# Altium PCB AMS_Remote_Module_A1.PcbDoc (part 3 of 3) (continued)
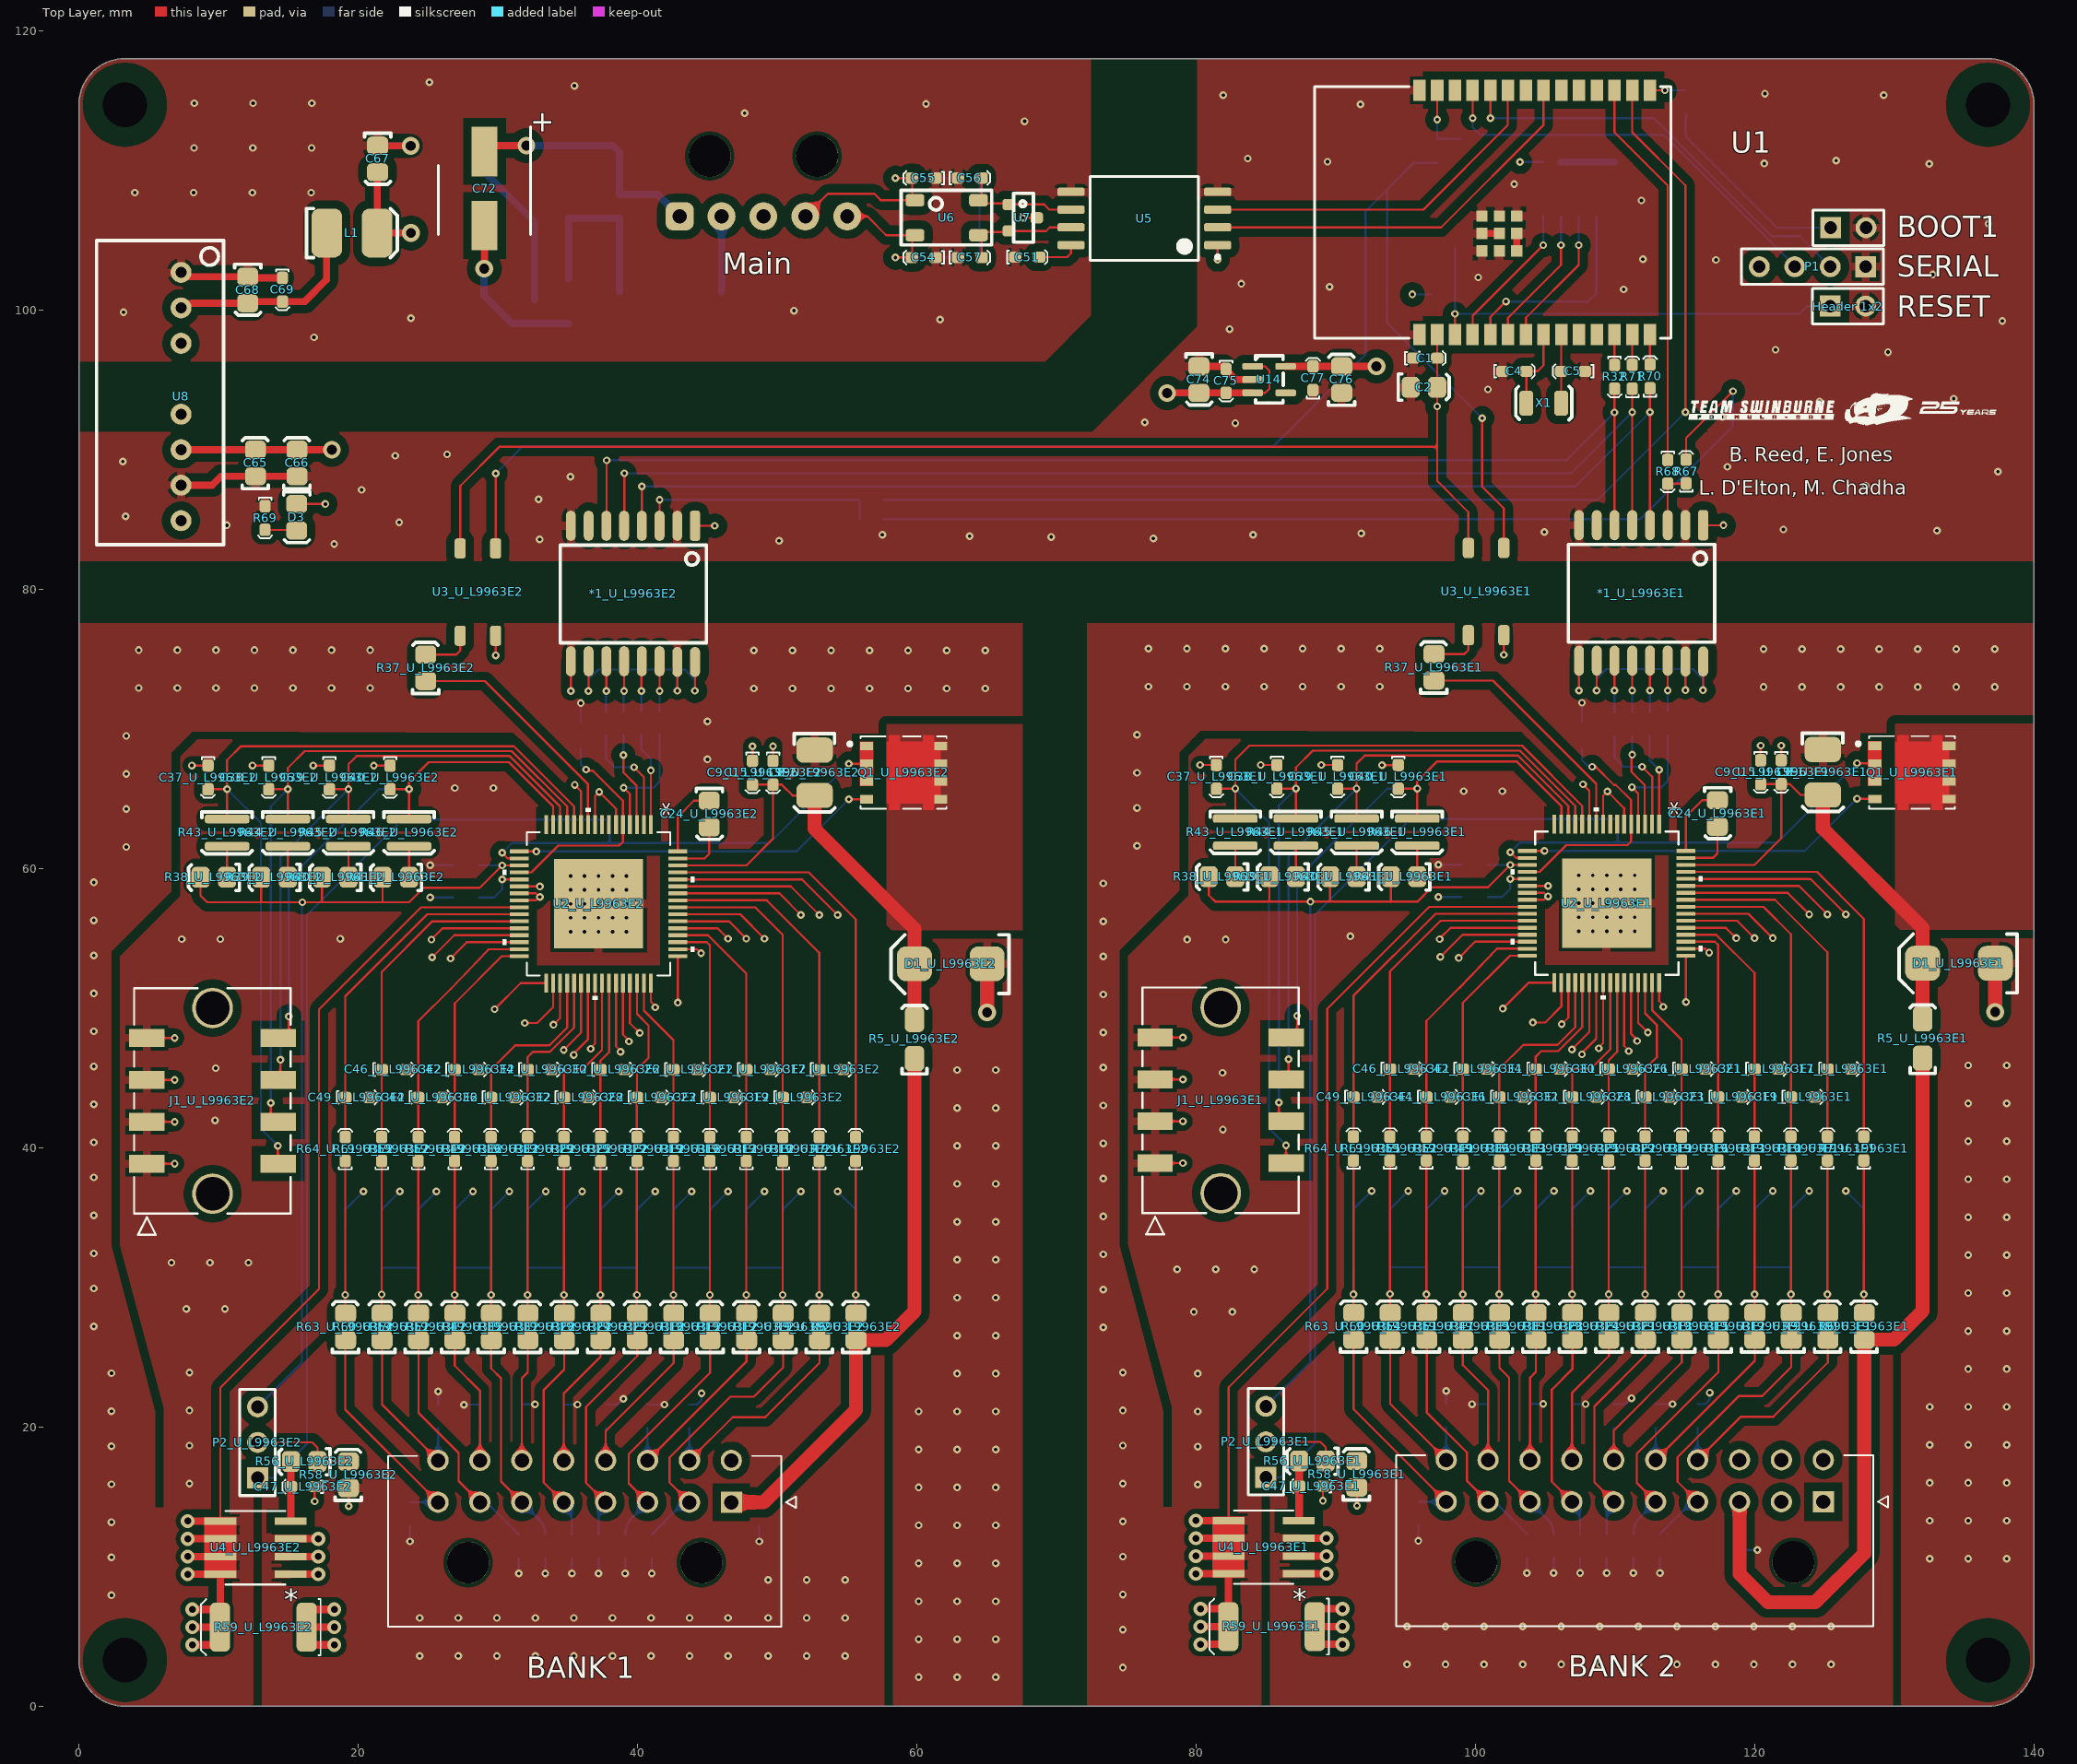
[diagram p0: Top Layer view]
## Nets (pads, with @x,y where several pads share a name; then routed paths per layer and width w, separated by ;. In a path a pad name is that pad's centre, name@x,y a point inside that pad or via, vN(x,y) a via of type N, cw(c..) or ccw(c..) an arc to the next point about the centre after c; other vN are vias at no path point) (continued)
  Top Layer w0.152: v1(36.648,47.079) 36.648,47.144 36.961,47.457 U2_U_L9963E2.40@36.961,51.791
  Layer 2 w0.152: v1(33.433,36.87) 33.433,42.526 36.627,45.72 v1@36.627,47.079
  Bottom Layer w0.152: R34_U_L9963E2.2@32.128,34.209 32.128,35.565 v1(33.433,36.87)
S7_U_L9963E1: R30_U_L9963E1.2 U2_U_L9963E1.43 | length 19.4
  Top Layer w0.152: U2_U_L9963E1.43@110.648,51.829 110.648,47.301 110.973,46.976 v1(110.973,46.914)
  Layer 2 w0.152: v1(108.23,36.908) 108.23,44.171 v1(110.973,46.914)
  Bottom Layer w0.152: R30_U_L9963E1.2@106.925,34.247 106.925,35.603 v1(108.23,36.908)
S7_U_L9963E2: R30_U_L9963E2.2 U2_U_L9963E2.43 | length 19.4
  Top Layer w0.152: U2_U_L9963E2.43@38.461,51.791 38.461,47.263 38.786,46.939 v1(38.786,46.876)
  Layer 2 w0.152: v1(36.043,36.87) 36.043,44.134 v1(38.786,46.876)
  Bottom Layer w0.152: R30_U_L9963E2.2@34.738,34.209 34.738,35.565 v1(36.043,36.87)
S8_U_L9963E1: R27_U_L9963E1.2 U2_U_L9963E1.45 | length 19
  Top Layer w0.152: U2_U_L9963E1.45@111.648,51.829 111.648,48.956 v1(112.344,48.26)
  Layer 2 w0.152: v1(110.841,36.908) 111.933,38 111.933,44.61 112.344,45.021 v1(112.344,48.26)
  Bottom Layer w0.152: R27_U_L9963E1.2@109.536,34.247 109.536,35.603 v1(110.841,36.908)
S8_U_L9963E2: R27_U_L9963E2.2 U2_U_L9963E2.45 | length 19
  Top Layer w0.152: U2_U_L9963E2.45@39.462,51.791 39.462,48.918 v1(40.157,48.222)
  Layer 2 w0.152: v1(38.654,36.87) 39.746,37.962 39.746,44.572 40.157,44.983 v1(40.157,48.222)
  Bottom Layer w0.152: R27_U_L9963E2.2@37.349,34.209 37.349,35.565 v1(38.654,36.87)
S9_U_L9963E1: R23_U_L9963E1.2 U2_U_L9963E1.48 | length 18.2
  Top Layer w0.152: U2_U_L9963E1.48@113.149,51.829 113.149,50.498 113.451,50.195 v1(113.451,50.089)
  Layer 2 w0.152: v1(113.451,36.908) v1(113.451,50.089)
  Bottom Layer w0.152: R23_U_L9963E1.2@112.146,34.247 112.146,35.603 v1(113.451,36.908)
S9_U_L9963E2: R23_U_L9963E2.2 U2_U_L9963E2.48 | length 18.2
  Top Layer w0.152: U2_U_L9963E2.48@40.962,51.791 40.962,50.46 41.264,50.158 v1(41.264,50.051)
  Layer 2 w0.152: v1(41.264,36.87) v1(41.264,50.051)
  Bottom Layer w0.152: R23_U_L9963E2.2@39.959,34.209 39.959,35.565 v1(41.264,36.87)
S10_U_L9963E1: R20_U_L9963E1.2 U2_U_L9963E1.50 | length 22.9
  Top Layer w0.152: U2_U_L9963E1.50@115.075,54.255 116.45,54.255 116.73,53.975 v1(116.738,53.975)
  Layer 2 w0.152: v1(116.062,36.908) 116.062,49.551 117.373,50.863 117.373,53.352 v1@116.745,53.981
  Bottom Layer w0.152: R20_U_L9963E1.2@114.757,34.247 114.757,35.603 v1(116.062,36.908)
S10_U_L9963E2: R20_U_L9963E2.2 U2_U_L9963E2.50 | length 22.9
  Top Layer w0.152: U2_U_L9963E2.50@42.888,54.217 44.264,54.217 44.543,53.937 v1(44.552,53.937)
  Layer 2 w0.152: v1(43.875,36.87) 43.875,49.514 45.187,50.825 45.187,53.315 v1@44.558,53.943
  Bottom Layer w0.152: R20_U_L9963E2.2@42.57,34.209 42.57,35.565 v1(43.875,36.87)
S11_U_L9963E1: R17_U_L9963E1.2 U2_U_L9963E1.53 | length 25.2
  Top Layer w0.152: U2_U_L9963E1.53@115.075,55.755 117.93,55.755 v1(118.672,55.013)
  Layer 2 w0.152: v1(118.672,36.908) v1(118.672,55.013)
  Bottom Layer w0.152: R17_U_L9963E1.2@117.367,34.247 117.367,35.603 v1(118.672,36.908)
S11_U_L9963E2: R17_U_L9963E2.2 U2_U_L9963E2.53 | length 25.2
  Top Layer w0.152: U2_U_L9963E2.53@42.888,55.718 45.743,55.718 v1(46.485,54.976)
  Layer 2 w0.152: v1(46.485,36.87) v1(46.485,54.976)
  Bottom Layer w0.152: R17_U_L9963E2.2@45.18,34.209 45.18,35.565 v1(46.485,36.87)
S12_U_L9963E1: R14_U_L9963E1.2 U2_U_L9963E1.55 | length 28.2
  Top Layer w0.152: U2_U_L9963E1.55@115.075,56.755 119.54,56.755 v1(121.282,55.013)
  Layer 2 w0.152: v1(121.282,36.908) v1(121.282,55.013)
  Bottom Layer w0.152: R14_U_L9963E1.2@119.977,34.247 119.977,35.603 v1(121.282,36.908)
S12_U_L9963E2: R14_U_L9963E2.2 U2_U_L9963E2.55 | length 28.2
  Top Layer w0.152: U2_U_L9963E2.55@42.888,56.718 47.353,56.718 v1(49.096,54.976)
  Layer 2 w0.152: v1(49.096,36.87) v1(49.096,54.976)
  Bottom Layer w0.152: R14_U_L9963E2.2@47.791,34.209 47.791,35.565 v1(49.096,36.87)
S13_U_L9963E1: R11_U_L9963E1.2 U2_U_L9963E1.58 | length 32.5
  Top Layer w0.152: U2_U_L9963E1.58@115.075,58.256 122.352,58.256 v1(123.893,56.715)
  Layer 2 w0.152: v1(123.893,36.908) v1(123.893,56.715)
  Bottom Layer w0.152: R11_U_L9963E1.2@122.588,34.247 122.588,35.603 v1(123.893,36.908)
S13_U_L9963E2: R11_U_L9963E2.2 U2_U_L9963E2.58 | length 32.5
  Top Layer w0.152: U2_U_L9963E2.58@42.888,58.218 50.165,58.218 v1(51.706,56.677)
  Layer 2 w0.152: v1(51.706,36.87) v1(51.706,56.677)
  Bottom Layer w0.152: R11_U_L9963E2.2@50.401,34.209 50.401,35.565 v1(51.706,36.87)
S14_U_L9963E1: R8_U_L9963E1.2 U2_U_L9963E1.60 | length 35.4
  Top Layer w0.152: U2_U_L9963E1.60@115.075,59.256 123.976,59.256 v1(126.518,56.715)
  Layer 2 w0.152: v1(126.518,36.908) v1(126.518,56.715)
  Bottom Layer w0.152: v1(126.518,36.908) 127.813,35.612 R8_U_L9963E1.2@127.813,34.374
S14_U_L9963E2: R8_U_L9963E2.2 U2_U_L9963E2.60 | length 35.4
  Top Layer w0.152: U2_U_L9963E2.60@42.888,59.218 51.789,59.218 v1(54.331,56.677)
  Layer 2 w0.152: v1(54.331,36.87) v1(54.331,56.677)
  Bottom Layer w0.152: v1(54.331,36.87) 55.626,35.575 R8_U_L9963E2.2@55.626,34.336
SPI1_MISO: *1_U_L9963E1.6 *1_U_L9963E2.6 R32.2 | length 88.1
  Top Layer w0.152: *1_U_L9963E2.6@37.77,84.545 37.782,84.558 37.782,89.222 v1(37.795,89.235) ; *1_U_L9963E1.6@109.957,84.583 v1(109.957,92.659) R32.2@109.957,94.361
  Bottom Layer w0.152: v1(37.795,89.235) 37.816,89.256 106.553,89.256 v1(109.957,92.659)
SPI1_MOSI: *1_U_L9963E1.5 *1_U_L9963E2.5 R71.1 | length 87.5
  Top Layer w0.152: *1_U_L9963E2.5@39.04,84.545 39.052,84.558 39.052,88.295 v1(39.065,88.307) ; *1_U_L9963E1.5@111.227,84.583 v1(111.227,92.685) R71.1@111.227,94.363
  Bottom Layer w0.152: v1(39.065,88.307) 106.849,88.307 v1(111.227,92.685)
SPI1_NSS_BANK_1: *1_U_L9963E2.3 R26.1 R48.2 | length 17.6
  Top Layer w0.152: *1_U_L9963E2.3@41.58,84.545 v1(41.58,86.411)
  Bottom Layer w0.152: v1(41.58,86.411) R48.2@55.911,86.411 55.909,86.409 55.909,85.016 R26.1@55.907,85.014
SPI1_NSS_BANK_2: *1_U_L9963E1.3 R67.1 R68.2 | length 4.3
  Top Layer w0.152: *1_U_L9963E1.3@113.767,84.583 R68.2@113.767,87.559 113.778,87.57 115.076,87.57 R67.1@115.087,87.581
SPI1_SCK: *1_U_L9963E1.4 *1_U_L9963E2.4 R70.1 | length 87
  Top Layer w0.152: *1_U_L9963E2.4@40.31,84.545 v1(40.31,87.359) ; *1_U_L9963E1.4@112.497,84.583 v1(112.497,92.685) R70.1@112.497,94.391
  Bottom Layer w0.152: v1(40.31,87.359) 107.171,87.359 v1(112.497,92.685)
TCK: JTAG1.4 U1.6 | length 10
  Top Layer w0.152: U1.6@102.337,98.236 102.337,99.441 106.121,103.226 v1(106.121,104.648)
  Bottom Layer w0.152: v1(106.121,104.648) JTAG1.4@106.121,106.705
TDI: JTAG1.8 U1.5 | length 15.1
  Top Layer w0.152: U1.5@101.067,98.236 101.067,99.492 v1(102.184,100.609)
  Bottom Layer w0.152: v1(102.184,100.609) 108.077,100.609 108.661,101.194 JTAG1.8@108.661,106.705
TDO: JTAG1.6 U1.7 | length 10
  Top Layer w0.152: U1.7@103.607,98.236 103.607,99.441 107.391,103.226 v1(107.391,104.648)
  Bottom Layer w0.152: v1(107.391,104.648) JTAG1.6@107.391,106.705
TEMP_1+_U_L9963E1: R38_U_L9963E1.1 R43_U_L9963E1.2 | length 2.2
  Top Layer w0.152: R38_U_L9963E1.1@82.804,59.411 R43_U_L9963E1.2@82.804,61.626
TEMP_1+_U_L9963E2: R38_U_L9963E2.1 R43_U_L9963E2.2 | length 2.2
  Top Layer w0.152: R38_U_L9963E2.1@10.617,59.374 R43_U_L9963E2.2@10.617,61.589
TEMP_2+_U_L9963E1: R39_U_L9963E1.1 R44_U_L9963E1.2 | length 2.2
  Top Layer w0.152: R39_U_L9963E1.1@87.147,59.411 R44_U_L9963E1.2@87.147,61.626
TEMP_2+_U_L9963E2: R39_U_L9963E2.1 R44_U_L9963E2.2 | length 2.2
  Top Layer w0.152: R39_U_L9963E2.1@14.961,59.374 R44_U_L9963E2.2@14.961,61.589
TEMP_3+_U_L9963E1: R40_U_L9963E1.1 R45_U_L9963E1.2 | length 2.2
  Top Layer w0.152: R40_U_L9963E1.1@91.491,59.411 R45_U_L9963E1.2@91.491,61.626
TEMP_3+_U_L9963E2: R40_U_L9963E2.1 R45_U_L9963E2.2 | length 2.2
  Top Layer w0.152: R40_U_L9963E2.1@19.304,59.374 R45_U_L9963E2.2@19.304,61.589
TEMP_4+_U_L9963E1: R41_U_L9963E1.1 R46_U_L9963E1.2 | length 2.2
  Top Layer w0.152: R41_U_L9963E1.1@95.834,59.411 R46_U_L9963E1.2@95.834,61.626
TEMP_4+_U_L9963E2: R41_U_L9963E2.1 R46_U_L9963E2.2 | length 2.2
  Top Layer w0.152: R41_U_L9963E2.1@23.647,59.374 R46_U_L9963E2.2@23.647,61.589
TMS: JTAG1.2 U1.4 | length 10.6
  Top Layer w0.152: U1.4@99.797,98.236 99.797,99.594 v1(104.851,104.648)
  Bottom Layer w0.152: v1(104.851,104.648) JTAG1.2@104.851,106.705
UART_RX: P1.2 U1.24 | length 30.7
  Top Layer w0.152: v1(101.067,113.742) U1.24@101.067,115.736
  Bottom Layer w0.152: v1(101.067,113.742) 112.77,113.742 121.229,105.283 123.215,105.283 P1.2@125.4,103.099
UART_TX: P1.3 U1.25 | length 29.9
  Top Layer w0.152: v1(99.797,113.741) U1.25@99.797,115.736
  Bottom Layer w0.152: v1(99.797,113.741) 99.797,113.08 100.33,112.547 113.462,112.547 122.86,103.149 P1.3@122.86,103.099
VANA_U_L9963E1: C12_U_L9963E1.2 U2_U_L9963E1.21 | length 3.8
  Top Layer w0.152: v1@102.466,59.256 v1(102.496,59.256) U2_U_L9963E1.21@103.721,59.256
  Bottom Layer w0.152: C12_U_L9963E1.2@100.889,57.964 101.919,57.964 102.496,58.541 v1(102.496,59.256)
VANA_U_L9963E2: C12_U_L9963E2.2 U2_U_L9963E2.21 | length 3.8
  Top Layer w0.152: v1@30.279,59.218 v1(30.31,59.218) U2_U_L9963E2.21@31.534,59.218
  Bottom Layer w0.152: C12_U_L9963E2.2@28.703,57.926 29.732,57.926 30.31,58.504 v1(30.31,59.218)
VBAT_D: C71.2 C72.2 D2.K U12.1 | length 14.5
  Top Layer w0.508: v3(29.029,102.957) 29.058,102.957 C72.2@29.058,106.045
  Bottom Layer w0.508: U12.1@29.01,105.549 29.01,101.038 31.013,99.035 C71.2@32.614,99.035 D2.K@35.052,99.035
VBAT_F: C68.2 C69.2 L1.1 U8.2 | length 14.6
  Top Layer w0.508: U8.2@7.315,100.152 cw(c8.117,99.351) 8.117,100.484 C68.2@12.09,100.484 cw(c12.36,100.213) 12.36,100.596 C69.2@14.58,100.596 16.171,100.596 17.745,102.171 17.745,105.512 L1.1@17.758,105.512
VBAT_U_L9963E1: C8_U_L9963E1.2 C9_U_L9963E1.2 C15_U_L9963E1.2 D1_U_L9963E1.K Q1_U_L9963E1.5 Q1_U_L9963E1.6 Q1_U_L9963E1.7 Q1_U_L9963E1.8 R5_U_L9963E1.2 U2_U_L9963E1.62 | length 35.3
  Top Layer w0.152: U2_U_L9963E1.62@115.075,60.256 119.985,60.256 121.895,62.166 C15_U_L9963E1.2@121.895,66.042 ; C9_U_L9963E1.2@120.421,66.042 C15_U_L9963E1.2@121.895,66.042 ; C8_U_L9963E1.2@124.866,65.267 123.29,65.267 122.515,66.042 C15_U_L9963E1.2@121.895,66.042
  Top Layer w1: C8_U_L9963E1.2@124.866,65.267 124.866,62.877 132.02,55.724 D1_U_L9963E1.K@132.02,53.213 R5_U_L9963E1.2@132.02,49.222
VBAT_U_L9963E2: C8_U_L9963E2.2 C9_U_L9963E2.2 C15_U_L9963E2.2 D1_U_L9963E2.K Q1_U_L9963E2.5 Q1_U_L9963E2.6 Q1_U_L9963E2.7 Q1_U_L9963E2.8 R5_U_L9963E2.2 U2_U_L9963E2.62 | length 35.3
  Top Layer w0.152: U2_U_L9963E2.62@42.888,60.219 47.798,60.219 49.708,62.128 C15_U_L9963E2.2@49.708,66.004 ; C9_U_L9963E2.2@48.235,66.004 C15_U_L9963E2.2@49.708,66.004 ; C8_U_L9963E2.2@52.68,65.229 51.103,65.229 50.328,66.004 C15_U_L9963E2.2@49.708,66.004
  Top Layer w1: C8_U_L9963E2.2@52.68,65.229 52.68,62.84 59.833,55.686 D1_U_L9963E2.K@59.833,53.175 R5_U_L9963E2.2@59.833,49.184
VCOM_U_L9963E1: C11_U_L9963E1.2 U2_U_L9963E1.5 U2_U_L9963E1.20 | length 16.8
  Top Layer w0.152: U2_U_L9963E1.20@103.721,59.756 104.587,59.756 106.502,61.671 110.871,61.671 111.148,61.948 U2_U_L9963E1.5@111.148,63.182 111.148,64.886 110.05,65.984 109.911,65.984 108.61,67.285 v1(108.356,67.285)
  Bottom Layer w0.152: C11_U_L9963E1.2@107.621,68.582 107.621,67.766 108.026,67.361 108.28,67.361 v1(108.356,67.285)
VCOM_U_L9963E2: C11_U_L9963E2.2 U2_U_L9963E2.5 U2_U_L9963E2.20 | length 16.4
  Top Layer w0.152: U2_U_L9963E2.20@31.534,59.719 32.4,59.719 34.315,61.634 38.684,61.634 38.961,61.911 U2_U_L9963E2.5@38.961,63.145 38.961,64.848 36.817,66.993 v1@36.374,66.993
  Bottom Layer w0.152: C11_U_L9963E2.2@35.942,68.556 35.942,67.462 v1(36.322,67.081)
VREG_U_L9963E1: C13_U_L9963E1.2 P2_U_L9963E1.1 Q1_U_L9963E1.1 Q1_U_L9963E1.2 Q1_U_L9963E1.3 U2_U_L9963E1.18 | length 98.7
  Top Layer w0.152: v1(102.496,61.163) 102.901,60.759 103.718,60.759 U2_U_L9963E1.18@103.721,60.756 ; v1(127.318,67.539) Q1_U_L9963E1.2@128.587,67.539
  Bottom Layer w0.152: P2_U_L9963E1.1@84.988,16.395 86.081,16.395 88.519,18.834 88.519,56.705 95.352,63.538 C13_U_L9963E1.2@110.186,63.538 110.186,61.861 ; v1(102.496,61.163) 103.194,61.861 110.186,61.861 ; v1(127.318,67.539) 121.641,61.861 110.186,61.861
VREG_U_L9963E2: C13_U_L9963E2.2 P2_U_L9963E2.1 Q1_U_L9963E2.1 Q1_U_L9963E2.2 Q1_U_L9963E2.3 U2_U_L9963E2.18 | length 98.7
  Top Layer w0.152: v1(30.31,61.126) 30.714,60.721 31.531,60.721 U2_U_L9963E2.18@31.534,60.719 ; v1(55.131,67.501) Q1_U_L9963E2.2@56.4,67.501
  Bottom Layer w0.152: P2_U_L9963E2.1@12.802,16.358 13.894,16.358 16.332,18.796 16.332,56.667 23.165,63.5 C13_U_L9963E2.2@38,63.5 38,61.824 ; v1(30.31,61.126) 31.008,61.824 38,61.824 ; v1(55.131,67.501) 49.454,61.824 38,61.824
VTREF_U_L9963E1: C14_U_L9963E1.2 P2_U_L9963E1.3 R38_U_L9963E1.2 R39_U_L9963E1.2 R40_U_L9963E1.2 R41_U_L9963E1.2 U2_U_L9963E1.19 | length 69.9
  Top Layer w0.152: R38_U_L9963E1.2@80.904,59.411 80.904,58.097 81.382,57.619 85.242,57.619 ; R39_U_L9963E1.2@85.247,59.411 85.247,57.624 85.242,57.619 ; R40_U_L9963E1.2@89.591,59.411 89.591,57.624 89.586,57.619 ; R41_U_L9963E1.2@93.934,59.411 93.934,57.624 93.929,57.619 ; U2_U_L9963E1.19@103.721,60.256 v1(102.496,60.256) 100.901,58.661 96.876,58.661 95.834,57.619 93.929,57.619 ; 85.242,57.619 89.586,57.619 ; 89.586,57.619 93.929,57.619
  Bottom Layer w0.152: P2_U_L9963E1.3@84.988,21.475 88.164,24.651 88.164,57.594 v1(88.189,57.619) ; C14_U_L9963E1.2@100.889,60.275 100.908,60.256 v1(102.496,60.256)
VTREF_U_L9963E2: C14_U_L9963E2.2 P2_U_L9963E2.3 R38_U_L9963E2.2 R39_U_L9963E2.2 R40_U_L9963E2.2 R41_U_L9963E2.2 U2_U_L9963E2.19 | length 69.9
  Top Layer w0.152: R38_U_L9963E2.2@8.717,59.374 8.717,58.059 9.195,57.582 13.056,57.582 ; R39_U_L9963E2.2@13.061,59.374 13.061,57.587 13.056,57.582 ; R40_U_L9963E2.2@17.404,59.374 17.404,57.587 17.399,57.582 ; R41_U_L9963E2.2@21.747,59.374 21.747,57.587 21.742,57.582 ; U2_U_L9963E2.19@31.534,60.219 v1(30.31,60.219) 28.714,58.623 24.689,58.623 23.647,57.582 21.742,57.582 ; 13.056,57.582 17.399,57.582 ; 17.399,57.582 21.742,57.582
  Bottom Layer w0.152: P2_U_L9963E2.3@12.802,21.438 15.977,24.613 15.977,57.557 v1(16.002,57.582) ; C14_U_L9963E2.2@28.703,60.237 28.721,60.219 v1(30.31,60.219)
pads on no net: "BANK 1.9" "BANK 1." "BANK 2.1" "BANK 2.2" "BANK 2.11" "BANK 2.12" "BANK 2.13" "BANK 2." *1_U_L9963E1.7 *1_U_L9963E2.7 J1_U_L9963E1.P1 J1_U_L9963E1.P2 J1_U_L9963E2.P1 J1_U_L9963E2.P2 JTAG1.10 Main.3 Main.PEG U1.10 U1.11 U1.18 U1.19 U1.20 U1.22 U1.26 U2_U_L9963E1.7 U2_U_L9963E1.8 U2_U_L9963E1.16 U2_U_L9963E2.7 U2_U_L9963E2.8 U2_U_L9963E2.16 U8.3 U8.5 U8.8 U14.4

## Polygon pours and split planes (outlines as drawn)
AGND_U_L9963E1 on Layer 1 "AGND_U_L9963E1_L02_P029" (solid, remove dead copper, pour order 29): 140,3.3 cw(c136.7,3.3) 136.7,0 136.279,0 72.187,0 72.187,77.572 140,77.572
"0V (ISO)" on Layer 1 "NONET_L-01_P-001" (solid, pour order 32): 72.542,91.262 80.086,98.806 80.086,118.008 85.649,118.008 85.649,91.262 139.979,91.262 139.979,82.017 0,82.017 0,91.262
AGND_U_L9963E2 on Layer 1 "AGND_U_L9963E2_L02_P016" (solid, remove dead copper, pour order 16): 0,3.3 ccw(c3.3,3.3) 3.3,0 67.589,0 67.589,77.572 0,77.572
"0V (ISO)" on Layer 1 "NONET_L-01_P-001" (solid, pour order 30): 136.692,118.008 cw(c136.692,114.72) 139.98,114.72 139.979,114.7 139.979,91.262 85.649,91.262 85.649,118.008
PACK_GND_U_L9963E2 on Layer 1 "PACK_GND_U_L9963E2_L02_P014" (solid, pour order 14): 13.106,-0.006 13.106,21.615 18.364,26.873 57.683,26.873 57.683,-0.033
0V on Layer 1 "NONET_L-01_P-001" (solid, pour order 38): 0,114.708 cw(c3.3,114.708) 3.3,118.008 72.466,118.008 72.466,99.593 69.19,96.317 0,96.317
PACK_GND_U_L9963E1 on Layer 1 "PACK_GND_U_L9963E1_L02_P015" (solid, pour order 15): 85.293,0 85.293,21.653 90.551,26.911 129.87,26.911 129.87,-0.027
AGND_U_L9963E1 on Top Layer "AGND_U_L9963E1_L01_P035" (solid, remove dead copper, pour order 35): 140,3.3 cw(c136.7,3.3) 136.7,0 135.887,0 72.187,0 72.187,77.572 140,77.572
"0V (ISO)" on Top Layer "NONET_L-01_P-001" (solid, pour order 37): 72.542,91.262 80.086,98.806 80.086,118.008 85.649,118.008 85.649,91.262 139.979,91.262 139.979,82.017 0,82.017 0,91.262
AGND_U_L9963E2 on Top Layer "AGND_U_L9963E2_L01_P013" (solid, remove dead copper, pour order 13): 0,3.3 ccw(c3.3,3.3) 3.3,0 67.589,0 67.589,77.572 0,77.572
"0V (ISO)" on Top Layer "NONET_L-01_P-001" (solid, pour order 41): 136.692,118.008 cw(c136.692,114.714) 139.986,114.714 139.979,114.33 139.979,91.262 85.649,91.262 85.649,118.008
VBAT_U_L9963E2 on Top Layer "NONET_L-01_P-001" (solid, remove dead copper, pour order 9): 57.85,70.333 67.589,70.333 67.589,55.575 57.85,55.575
PACK_GND_U_L9963E1 on Top Layer "PACK_GND_U_L9963E1_L01_P011" (solid, pour order 11): 85.293,0 85.293,21.653 90.551,26.911 129.87,26.911 129.87,-0.027
PACK_GND_U_L9963E2 on Top Layer "PACK_GND_U_L9963E2_L01_P010" (solid, pour order 10): 13.106,-0.006 13.106,21.615 18.364,26.873 57.683,26.873 57.683,-0.033
VBAT_U_L9963E1 on Top Layer "NONET_L-01_P-001" (solid, remove dead copper, pour order 8): 130.037,70.37 139.979,70.37 139.979,55.613 130.037,55.613
0V on Top Layer "NONET_L-01_P-001" (solid, pour order 36): 0,114.708 cw(c3.3,114.708) 3.3,118.008 72.466,118.008 72.466,99.593 69.19,96.317 0,96.317
AGND_U_L9963E1 on Bottom Layer "AGND_U_L9963E1_L04_P033" (solid, remove dead copper, pour order 33): 140,3.3 cw(c136.7,3.3) 136.7,0 72.187,0 72.187,77.572 140,77.572
"0V (ISO)" on Bottom Layer "NONET_L-01_P-001" (solid, pour order 43): 139.979,114.729 ccw(c136.7,114.729) 136.7,118.008 85.649,118.008 85.649,91.262 139.979,91.262
"0V (ISO)" on Bottom Layer "NONET_L-01_P-001" (solid, pour order 40): 72.542,91.262 80.086,98.806 80.086,118.008 85.649,118.008 85.649,91.262 139.979,91.262 139.979,82.017 0,82.017 0,91.262
AGND_U_L9963E2 on Bottom Layer "AGND_U_L9963E2_L04_P031" (solid, remove dead copper, pour order 31): 0,3.3 ccw(c3.3,3.3) 3.3,0 67.589,0 67.589,77.572 0,77.572
PACK_GND_U_L9963E2 on Bottom Layer "PACK_GND_U_L9963E2_L04_P017" (solid, pour order 17): 13.106,-0.006 13.106,21.615 18.364,26.873 57.683,26.873 57.683,-0.033
PACK_GND_U_L9963E1 on Bottom Layer "PACK_GND_U_L9963E1_L04_P018" (solid, pour order 18): 85.293,0 85.293,21.653 90.551,26.911 129.87,26.911 129.87,-0.027
0V on Bottom Layer "NONET_L-01_P-001" (solid, pour order 34): 0,114.708 cw(c3.3,114.708) 3.3,118.008 72.466,118.008 72.466,99.593 69.19,96.317 0,96.317
AGND_U_L9963E1 on Layer 2 "AGND_U_L9963E1_L03_P026" (solid, remove dead copper, pour order 26): 140,3.3 cw(c136.7,3.3) 136.7,0 136.296,0 72.187,0 72.187,77.572 140,77.572
"5V (ISO)" on Layer 2 "NONET_L-01_P-001" (solid, pour order 39): 72.542,91.262 80.086,98.806 80.086,118.008 85.649,118.008 85.649,91.262 139.979,91.262 139.979,82.017 0,82.017 0,91.262
"3V3 (ISO)" on Layer 2 "NONET_L-01_P-001" (solid, pour order 28): 136.7,118 cw(c136.7,114.7) 140,114.7 139.979,91.262 85.649,91.262 85.649,118.008
AGND_U_L9963E2 on Layer 2 "AGND_U_L9963E2_L03_P024" (solid, remove dead copper, pour order 24): 0,3.3 ccw(c3.3,3.3) 3.3,0 67.589,0 67.589,77.572 0,77.572
PACK_GND_U_L9963E1 on Layer 2 "PACK_GND_U_L9963E1_L03_P020" (solid, pour order 20): 85.293,0 85.293,21.653 90.551,26.911 129.87,26.911 129.87,-0.027
PACK_GND_U_L9963E2 on Layer 2 "PACK_GND_U_L9963E2_L03_P019" (solid, pour order 19): 13.106,-0.006 13.106,21.615 18.364,26.873 57.683,26.873 57.683,-0.033
VBAT_F on Layer 2 "NONET_L-01_P-001" (solid, pour order 42): 0,114.708 cw(c3.3,114.708) 3.3,118.008 72.466,118.008 72.466,99.593 69.19,96.317 0,96.317

## Other copper
Top Layer:
  pour cut-out: 3.3,111.7 cw(c3.3,114.7) 0.3,114.7 cw(c3.3,114.7) 3.3,117.7 cw(c3.3,114.7) 6.3,114.7 cw(c3.3,114.7)
  pour cut-out: 136.7,111.7 cw(c136.7,114.7) 133.7,114.7 cw(c136.7,114.7) 136.7,117.7 cw(c136.7,114.7) 139.7,114.7 cw(c136.7,114.7)
  pour cut-out: 136.7,0.3 cw(c136.7,3.3) 133.7,3.3 cw(c136.7,3.3) 136.7,6.3 cw(c136.7,3.3) 139.7,3.3 cw(c136.7,3.3)
  pour cut-out: 3.3,0.3 cw(c3.3,3.3) 0.3,3.3 cw(c3.3,3.3) 3.3,6.3 cw(c3.3,3.3) 6.3,3.3 cw(c3.3,3.3)
  pour cut-out: 78.283,14.262 77.648,14.262 77.648,21.125 74.498,33.024 74.498,54.114 78.791,58.407 78.791,68.338 80.314,69.861 103.302,69.761 108.306,64.757 108.306,63.157 110.007,61.455 124.562,61.455 130.429,55.587 130.429,28.714 128.626,26.911 90.551,26.911 85.293,21.653 85.293,0 84.684,0 84.684,21.653 90.526,27.495 128.448,27.495 129.87,28.917 129.87,55.333 124.282,60.921 109.779,60.921 107.772,62.928 107.824,64.527 103.073,69.278 80.67,69.278 79.451,68.059 79.451,58.051 77.165,55.765 75.142,53.742 75.142,33.059 78.283,21.411
  region net AGND_U_L9963E1: 81.178,13.563 81.178,9.22 83.464,9.22 83.464,13.563
  region net VREG_U_L9963E1: 128.117,69.119 128.117,65.959 129.057,65.959 129.057,69.119
  pour cut-out: 6.096,14.224 5.461,14.224 5.461,21.088 2.311,32.986 2.311,54.077 6.604,58.369 6.604,68.301 8.127,69.823 31.115,69.723 36.119,64.719 36.119,63.119 37.821,61.417 52.375,61.417 58.242,55.55 58.242,28.677 56.439,26.873 18.364,26.873 13.106,21.615 13.106,0 12.497,0 12.497,21.615 18.339,27.457 56.261,27.457 57.683,28.88 57.683,55.296 52.095,60.884 37.592,60.884 35.585,62.89 35.638,64.489 30.886,69.24 8.484,69.24 7.264,68.021 7.264,58.014 4.978,55.728 2.955,53.704 2.955,33.022 6.096,21.373
  region net VREG_U_L9963E2: 55.93,69.081 55.93,65.921 56.87,65.921 56.87,69.081
  region net AGND_U_L9963E2: 8.992,13.525 8.992,9.182 11.278,9.182 11.278,13.525
Layer 1:
  pour cut-out: 78.283,14.262 77.648,14.262 77.648,21.125 74.498,33.024 74.498,54.114 78.791,58.407 78.791,68.338 80.314,69.861 103.302,69.761 108.306,64.757 108.306,63.157 110.007,61.455 124.562,61.455 130.429,55.587 130.429,28.714 128.626,26.911 90.551,26.911 85.293,21.653 85.293,0 84.684,0 84.684,21.653 90.526,27.495 128.448,27.495 129.87,28.917 129.87,55.333 124.282,60.921 109.779,60.921 107.772,62.928 107.824,64.527 103.073,69.278 80.67,69.278 79.451,68.059 79.451,58.051 77.165,55.765 75.142,53.742 75.142,33.059 78.283,21.411
  pour cut-out: 130.429,28.714 130.429,0.038 129.87,0.038 129.87,28.155
  pour cut-out: 58.242,28.677 58.242,0 57.683,0 57.683,28.118
  pour cut-out: 6.096,14.224 5.461,14.224 5.461,21.088 2.311,32.986 2.311,54.077 6.604,58.369 6.604,68.301 8.127,69.823 31.115,69.723 36.119,64.719 36.119,63.119 37.821,61.417 52.375,61.417 58.242,55.55 58.242,28.677 56.439,26.873 18.364,26.873 13.106,21.615 13.106,0 12.497,0 12.497,21.615 18.339,27.457 56.261,27.457 57.683,28.88 57.683,55.296 52.095,60.884 37.592,60.884 35.585,62.89 35.638,64.489 30.886,69.24 8.484,69.24 7.264,68.021 7.264,58.014 4.978,55.728 2.955,53.704 2.955,33.022 6.096,21.373
Layer 2:
  pour cut-out: 78.283,14.262 77.648,14.262 77.648,21.125 74.498,33.024 74.498,54.114 78.791,58.407 78.791,68.338 80.314,69.861 103.302,69.761 108.306,64.757 108.306,63.157 110.007,61.455 124.562,61.455 130.429,55.587 130.429,28.714 128.626,26.911 90.551,26.911 85.293,21.653 85.293,0 84.684,0 84.684,21.653 90.526,27.495 128.448,27.495 129.87,28.917 129.87,55.333 124.282,60.921 109.779,60.921 107.772,62.928 107.824,64.527 103.073,69.278 80.67,69.278 79.451,68.059 79.451,58.051 77.165,55.765 75.142,53.742 75.142,33.059 78.283,21.411
  pour cut-out: 6.096,14.224 5.461,14.224 5.461,21.088 2.311,32.986 2.311,54.077 6.604,58.369 6.604,68.301 8.127,69.823 31.115,69.723 36.119,64.719 36.119,63.119 37.821,61.417 52.375,61.417 58.242,55.55 58.242,28.677 56.439,26.873 18.364,26.873 13.106,21.615 13.106,0 12.497,0 12.497,21.615 18.339,27.457 56.261,27.457 57.683,28.88 57.683,55.296 52.095,60.884 37.592,60.884 35.585,62.89 35.638,64.489 30.886,69.24 8.484,69.24 7.264,68.021 7.264,58.014 4.978,55.728 2.955,53.704 2.955,33.022 6.096,21.373
Bottom Layer:
  pour cut-out: 78.283,14.262 77.648,14.262 77.648,21.125 74.498,33.024 74.498,54.114 78.791,58.407 78.791,68.338 80.314,69.861 103.302,69.761 108.306,64.757 108.306,63.157 110.007,61.455 124.562,61.455 130.429,55.587 130.429,28.714 128.626,26.911 90.551,26.911 85.293,21.653 85.293,0 84.684,0 84.684,21.653 90.526,27.495 128.448,27.495 129.87,28.917 129.87,55.333 124.282,60.921 109.779,60.921 107.772,62.928 107.824,64.527 103.073,69.278 80.67,69.278 79.451,68.059 79.451,58.051 77.165,55.765 75.142,53.742 75.142,33.059 78.283,21.411
  pour cut-out: 6.096,14.224 5.461,14.224 5.461,21.088 2.311,32.986 2.311,54.077 6.604,58.369 6.604,68.301 8.127,69.823 31.115,69.723 36.119,64.719 36.119,63.119 37.821,61.417 52.375,61.417 58.242,55.55 58.242,28.677 56.439,26.873 18.364,26.873 13.106,21.615 13.106,0 12.497,0 12.497,21.615 18.339,27.457 56.261,27.457 57.683,28.88 57.683,55.296 52.095,60.884 37.592,60.884 35.585,62.89 35.638,64.489 30.886,69.24 8.484,69.24 7.264,68.021 7.264,58.014 4.978,55.728 2.955,53.704 2.955,33.022 6.096,21.373

## Silkscreen, mask and mechanical layers (free items; w line width, h text height)
Top Overlay:
  drawing of 28 lines, arcs and shapes, not listed
  text "SERIAL" at 130.175,102.375 h1.52
  text "RESET" at 130.175,99.517 h1.52
  text "B. Reed, E. Jones" at 118.161,89.157 h1
  text "L. D'Elton, M. Chadha" at 115.995,86.769 h1
Bottom Overlay:
  drawing of 22 lines, arcs and shapes, not listed
Mechanical 1:
  the board outline again, w0.1

## Dimensions
137.312,82.017 to 137.312,77.572 on Top Overlay
67.589,77.572 to 72.187,77.572 on Top Overlay

## Text inside footprints (layer, text, board x,y; h text height)
"BANK 1": Mechanical 13 "MAX" at 22.399,0.825 h1.52; Mechanical 13 "PTH D1.02 +/- 0.05" at 21.899,21.353 h1.52; Mechanical 13 "NPTH D3.00 +/- 0.05" at 21.899,20.353 h1.52; Mechanical 13 "PCB EDGE" at 50.719,0.125 h1.52
"BANK 2": Mechanical 13 "MAX" at 94.586,0.863 h1.52; Mechanical 13 "PTH D1.02 +/- 0.05" at 94.086,21.39 h1.52; Mechanical 13 "NPTH D3.00 +/- 0.05" at 94.086,20.39 h1.52; Mechanical 13 "PCB EDGE" at 128.906,0.163 h1.52
C72: Top Overlay "+" at 32.558,114.291 h1.52 r270
U2_U_L9963E1: Top Overlay "*" at 113.145,64.808 h1.52 r270; Mechanical 13 "*" at 112.764,62.446 h1.52 r270
U2_U_L9963E2: Top Overlay "*" at 40.958,64.771 h1.52 r270; Mechanical 13 "*" at 40.577,62.408 h1.52 r270
U4_U_L9963E1: Top Overlay "*" at 87.922,9.08 h1.52 r180; Mechanical 13 "*" at 86.779,10.236 h1.52 r180
U4_U_L9963E2: Top Overlay "*" at 15.735,9.042 h1.52 r180; Mechanical 13 "*" at 14.592,10.198 h1.52 r180